# Altium PCB Battery Protector.PcbDoc (part 1 of 3) (continued)
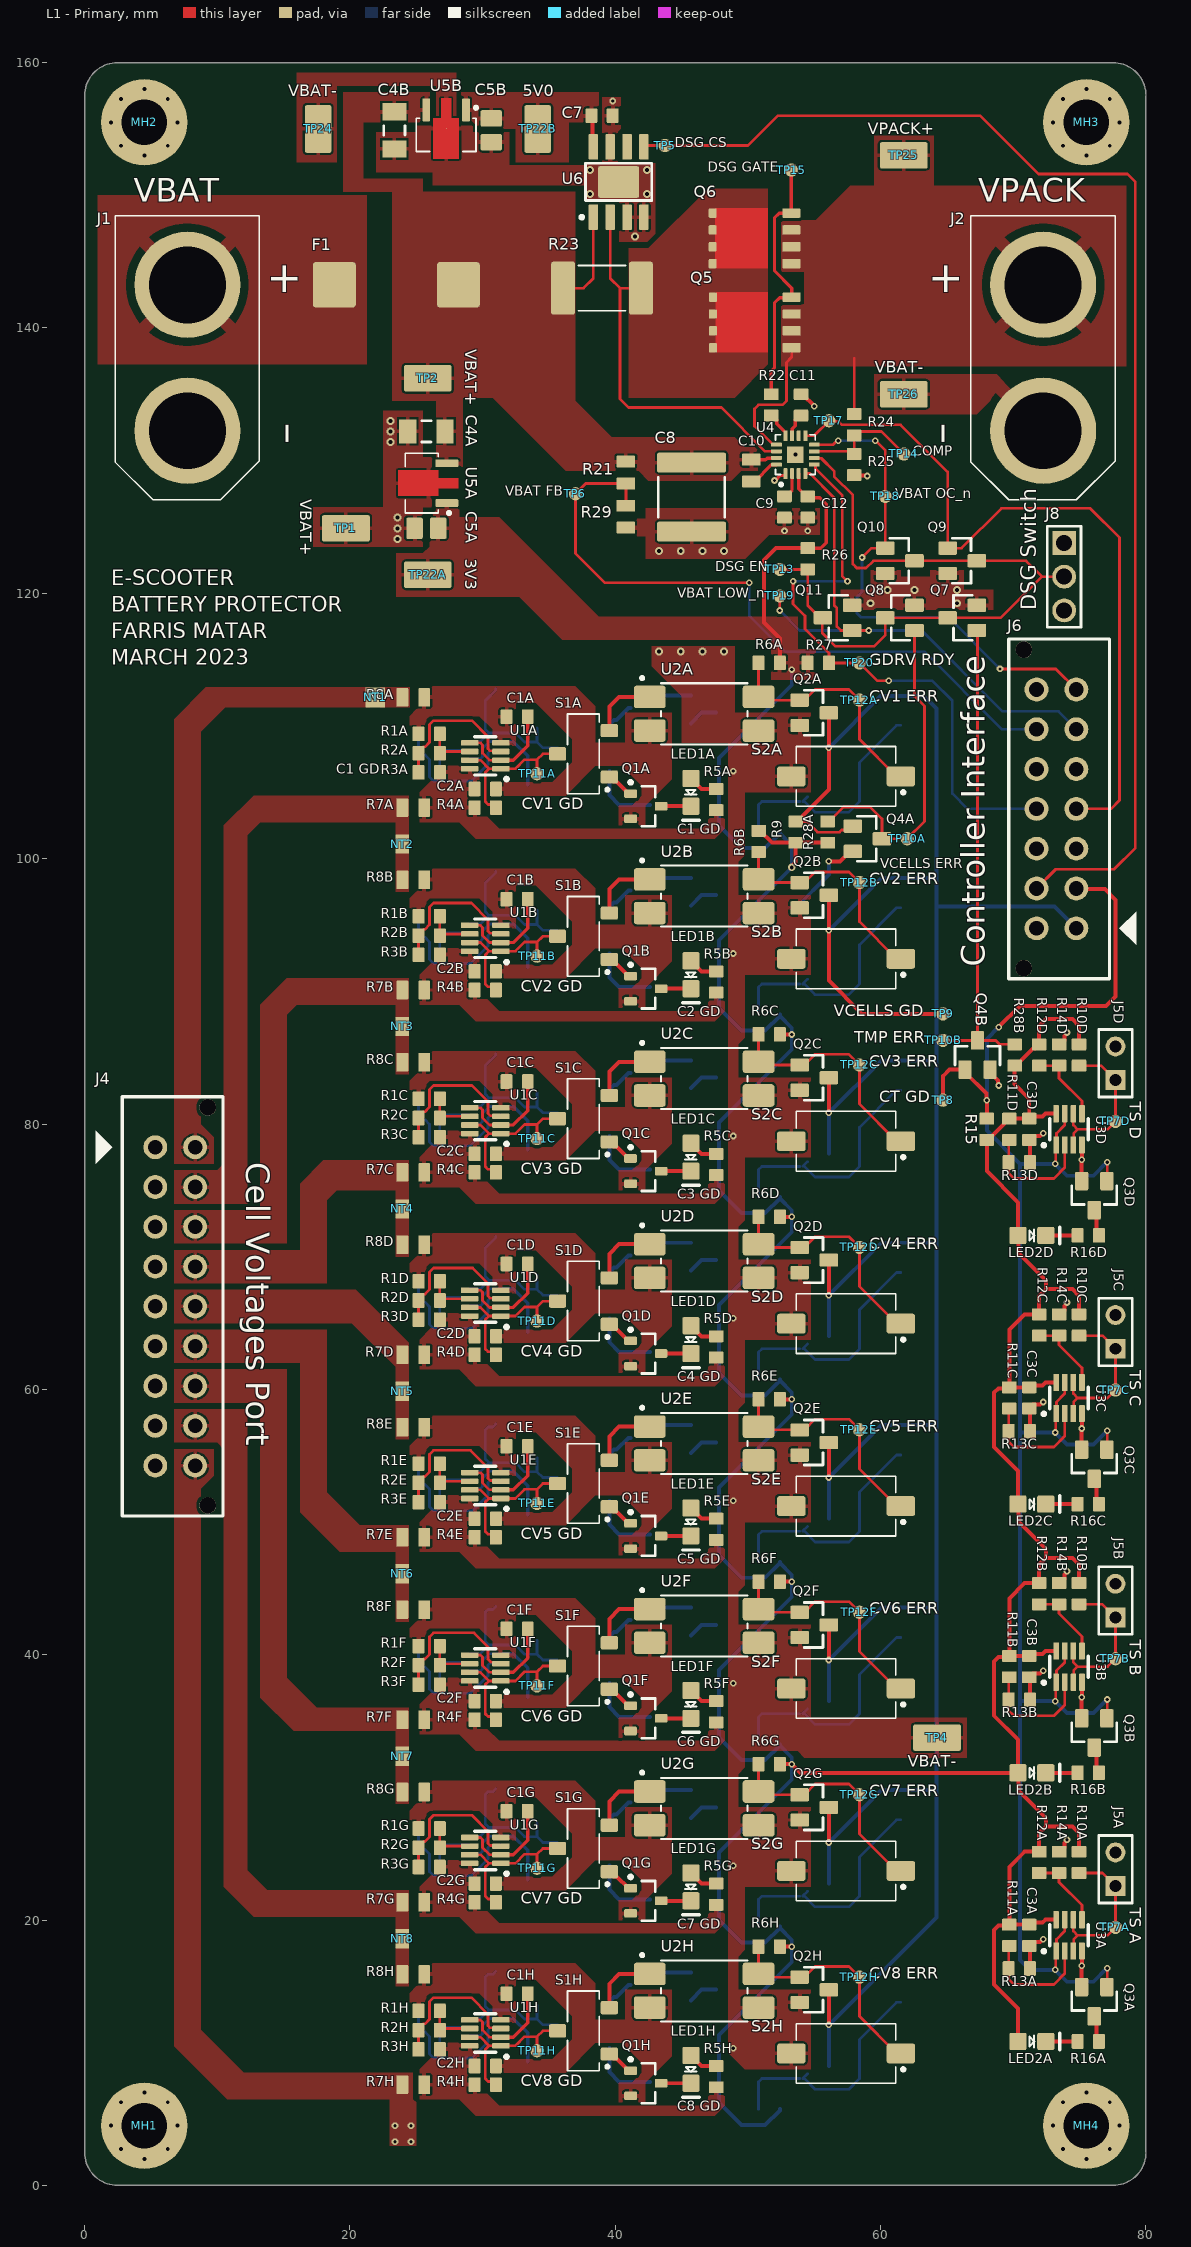
[diagram p0: L1 - Primary view]
## Components (designator, comment, footprint, x,y, rotation, side; value= is the part's Value field where it differs from the comment) (continued)
Q2I "NMOS_60V_380mA" NMOS_SSOT-3 55,9.008 r90 bottom (schematic designator Q2)
Q2J "NMOS_60V_380mA" NMOS_SSOT-3 55,22.758 r90 bottom (schematic designator Q2)
Q2K "NMOS_60V_380mA" NMOS_SSOT-3 55,36.508 r90 bottom (schematic designator Q2)
Q2L "NMOS_60V_380mA" NMOS_SSOT-3 55,50.258 r90 bottom (schematic designator Q2)
Q2M "NMOS_60V_380mA" NMOS_SSOT-3 55,64.008 r90 bottom (schematic designator Q2)
Q2N "NMOS_60V_380mA" NMOS_SSOT-3 55,77.758 r90 bottom (schematic designator Q2)
Q2O "NMOS_60V_380mA" NMOS_SSOT-3 55,91.508 r90 bottom (schematic designator Q2)
Q2P "NMOS_60V_380mA" NMOS_SSOT-3 55,105.258 r90 bottom (schematic designator Q2)
Q3A "NMOS_60V_380mA" NMOS_SSOT-3 76.1,13.85 r180 top (schematic designator Q3)
Q3B "NMOS_60V_380mA" NMOS_SSOT-3 76.1,34.1 r180 top (schematic designator Q3)
Q3C "NMOS_60V_380mA" NMOS_SSOT-3 76.1,54.35 r180 top (schematic designator Q3)
Q3D "NMOS_60V_380mA" NMOS_SSOT-3 76.1,74.6 r180 top (schematic designator Q3)
Q4A "NMOS_60V_380mA" NMOS_SSOT-3 59,101.5 r270 top (schematic designator Q4)
Q4B "NMOS_60V_380mA" NMOS_SSOT-3 67.3,85.2 r0 top (schematic designator Q4)
Q5 "CSD19502Q5B" DFN5060 50.522,140.417 r90 top
Q6 "CSD19502Q5B" DFN5060 50.5,146.75 r90 top
Q7 "NMOS_60V_380mA" NMOS_SSOT-3 66.15,118.15 r90 top
Q8 "NMOS_60V_380mA" NMOS_SSOT-3 61.45,118.15 r90 top
Q9 "NMOS_60V_380mA" NMOS_SSOT-3 66.15,122.45 r270 top
Q10 "NMOS_60V_380mA" NMOS_SSOT-3 61.45,122.45 r270 top
Q11 "NMOS_60V_380mA" NMOS_SSOT-3 56.75,118.15 r90 top
R1A "RES_1.24MΩ_0603_1%" RES0603 25.975,109.4 r0 top value=1.24MΩ (schematic designator R1)
R1B "RES_1.24MΩ_0603_1%" RES0603 25.975,95.65 r0 top value=1.24MΩ (schematic designator R1)
R1C "RES_1.24MΩ_0603_1%" RES0603 25.975,81.9 r0 top value=1.24MΩ (schematic designator R1)
R1D "RES_1.24MΩ_0603_1%" RES0603 25.975,68.15 r0 top value=1.24MΩ (schematic designator R1)
R1E "RES_1.24MΩ_0603_1%" RES0603 25.975,54.4 r0 top value=1.24MΩ (schematic designator R1)
R1F "RES_1.24MΩ_0603_1%" RES0603 25.975,40.65 r0 top value=1.24MΩ (schematic designator R1)
R1G "RES_1.24MΩ_0603_1%" RES0603 25.975,26.9 r0 top value=1.24MΩ (schematic designator R1)
R1H "RES_1.24MΩ_0603_1%" RES0603 25.975,13.15 r0 top value=1.24MΩ (schematic designator R1)
R1I "RES_1.24MΩ_0603_1%" RES0603 25.975,10.6 r0 bottom value=1.24MΩ (schematic designator R1)
R1J "RES_1.24MΩ_0603_1%" RES0603 25.975,24.35 r0 bottom value=1.24MΩ (schematic designator R1)
R1K "RES_1.24MΩ_0603_1%" RES0603 25.975,38.1 r0 bottom value=1.24MΩ (schematic designator R1)
R1L "RES_1.24MΩ_0603_1%" RES0603 25.975,51.85 r0 bottom value=1.24MΩ (schematic designator R1)
R1M "RES_1.24MΩ_0603_1%" RES0603 25.975,65.6 r0 bottom value=1.24MΩ (schematic designator R1)
R1N "RES_1.24MΩ_0603_1%" RES0603 25.975,79.35 r0 bottom value=1.24MΩ (schematic designator R1)
R1O "RES_1.24MΩ_0603_1%" RES0603 25.975,93.1 r0 bottom value=1.24MΩ (schematic designator R1)
R1P "RES_1.24MΩ_0603_1%" RES0603 25.975,106.85 r0 bottom value=1.24MΩ (schematic designator R1)
R2A "RES_604kΩ_0603_1%" RES0603 25.975,107.95 r180 top value=604kΩ (schematic designator R2)
R2B "RES_604kΩ_0603_1%" RES0603 25.975,94.2 r180 top value=604kΩ (schematic designator R2)
R2C "RES_604kΩ_0603_1%" RES0603 25.975,80.45 r180 top value=604kΩ (schematic designator R2)
R2D "RES_604kΩ_0603_1%" RES0603 25.975,66.7 r180 top value=604kΩ (schematic designator R2)
R2E "RES_604kΩ_0603_1%" RES0603 25.975,52.95 r180 top value=604kΩ (schematic designator R2)
R2F "RES_604kΩ_0603_1%" RES0603 25.975,39.2 r180 top value=604kΩ (schematic designator R2)
R2G "RES_604kΩ_0603_1%" RES0603 25.975,25.45 r180 top value=604kΩ (schematic designator R2)
R2H "RES_604kΩ_0603_1%" RES0603 25.975,11.7 r180 top value=604kΩ (schematic designator R2)
R2I "RES_604kΩ_0603_1%" RES0603 25.975,12.05 r180 bottom value=604kΩ (schematic designator R2)
R2J "RES_604kΩ_0603_1%" RES0603 25.975,25.8 r180 bottom value=604kΩ (schematic designator R2)
R2K "RES_604kΩ_0603_1%" RES0603 25.975,39.55 r180 bottom value=604kΩ (schematic designator R2)
R2L "RES_604kΩ_0603_1%" RES0603 25.975,53.3 r180 bottom value=604kΩ (schematic designator R2)
R2M "RES_604kΩ_0603_1%" RES0603 25.975,67.05 r180 bottom value=604kΩ (schematic designator R2)
R2N "RES_604kΩ_0603_1%" RES0603 25.975,80.8 r180 bottom value=604kΩ (schematic designator R2)
R2O "RES_604kΩ_0603_1%" RES0603 25.975,94.55 r180 bottom value=604kΩ (schematic designator R2)
R2P "RES_604kΩ_0603_1%" RES0603 25.975,108.3 r180 bottom value=604kΩ (schematic designator R2)
R3A "RES_845kΩ_0603_1%" RES0603 25.975,106.5 r0 top value=845kΩ (schematic designator R3)
R3B "RES_845kΩ_0603_1%" RES0603 25.975,92.75 r0 top value=845kΩ (schematic designator R3)
R3C "RES_845kΩ_0603_1%" RES0603 25.975,79 r0 top value=845kΩ (schematic designator R3)
R3D "RES_845kΩ_0603_1%" RES0603 25.975,65.25 r0 top value=845kΩ (schematic designator R3)
R3E "RES_845kΩ_0603_1%" RES0603 25.975,51.5 r0 top value=845kΩ (schematic designator R3)
R3F "RES_845kΩ_0603_1%" RES0603 25.975,37.75 r0 top value=845kΩ (schematic designator R3)
R3G "RES_845kΩ_0603_1%" RES0603 25.975,24 r0 top value=845kΩ (schematic designator R3)
R3H "RES_845kΩ_0603_1%" RES0603 25.975,10.25 r0 top value=845kΩ (schematic designator R3)
R3I "RES_845kΩ_0603_1%" RES0603 25.975,13.5 r0 bottom value=845kΩ (schematic designator R3)
R3J "RES_845kΩ_0603_1%" RES0603 25.975,27.25 r0 bottom value=845kΩ (schematic designator R3)
R3K "RES_845kΩ_0603_1%" RES0603 25.975,41 r0 bottom value=845kΩ (schematic designator R3)
R3L "RES_845kΩ_0603_1%" RES0603 25.975,54.75 r0 bottom value=845kΩ (schematic designator R3)
R3M "RES_845kΩ_0603_1%" RES0603 25.975,68.5 r0 bottom value=845kΩ (schematic designator R3)
R3N "RES_845kΩ_0603_1%" RES0603 25.975,82.25 r0 bottom value=845kΩ (schematic designator R3)
R3O "RES_845kΩ_0603_1%" RES0603 25.975,96 r0 bottom value=845kΩ (schematic designator R3)
R3P "RES_845kΩ_0603_1%" RES0603 25.975,109.75 r0 bottom value=845kΩ (schematic designator R3)
R4A "RES_5.1kΩ_0603_1%" RES0603 30.2,103.85 r180 top value=5.1kΩ (schematic designator R4)
R4B "RES_5.1kΩ_0603_1%" RES0603 30.2,90.1 r180 top value=5.1kΩ (schematic designator R4)
R4C "RES_5.1kΩ_0603_1%" RES0603 30.2,76.35 r180 top value=5.1kΩ (schematic designator R4)
R4D "RES_5.1kΩ_0603_1%" RES0603 30.2,62.6 r180 top value=5.1kΩ (schematic designator R4)
R4E "RES_5.1kΩ_0603_1%" RES0603 30.2,48.85 r180 top value=5.1kΩ (schematic designator R4)
R4F "RES_5.1kΩ_0603_1%" RES0603 30.2,35.1 r180 top value=5.1kΩ (schematic designator R4)
R4G "RES_5.1kΩ_0603_1%" RES0603 30.2,21.35 r180 top value=5.1kΩ (schematic designator R4)
R4H "RES_5.1kΩ_0603_1%" RES0603 30.2,7.6 r180 top value=5.1kΩ (schematic designator R4)
R4I "RES_5.1kΩ_0603_1%" RES0603 30.2,16.15 r180 bottom value=5.1kΩ (schematic designator R4)
R4J "RES_5.1kΩ_0603_1%" RES0603 30.2,29.9 r180 bottom value=5.1kΩ (schematic designator R4)
R4K "RES_5.1kΩ_0603_1%" RES0603 30.2,43.65 r180 bottom value=5.1kΩ (schematic designator R4)
R4L "RES_5.1kΩ_0603_1%" RES0603 30.2,57.4 r180 bottom value=5.1kΩ (schematic designator R4)
R4M "RES_5.1kΩ_0603_1%" RES0603 30.2,71.55 r180 bottom value=5.1kΩ (schematic designator R4)
R4N "RES_5.1kΩ_0603_1%" RES0603 30.2,85.3 r180 bottom value=5.1kΩ (schematic designator R4)
R4O "RES_5.1kΩ_0603_1%" RES0603 30.2,99.05 r180 bottom value=5.1kΩ (schematic designator R4)
R4P "RES_5.1kΩ_0603_1%" RES0603 30.2,112.8 r180 bottom value=5.1kΩ (schematic designator R4)
R5A "RES_180Ω_0603_1%" RES0603 47.6,104.45 r270 top value=180Ω (schematic designator R5)
R5B "RES_180Ω_0603_1%" RES0603 47.6,90.7 r270 top value=180Ω (schematic designator R5)
R5C "RES_180Ω_0603_1%" RES0603 47.6,76.95 r270 top value=180Ω (schematic designator R5)
R5D "RES_180Ω_0603_1%" RES0603 47.6,63.2 r270 top value=180Ω (schematic designator R5)
R5E "RES_180Ω_0603_1%" RES0603 47.6,49.45 r270 top value=180Ω (schematic designator R5)
R5F "RES_180Ω_0603_1%" RES0603 47.6,35.7 r270 top value=180Ω (schematic designator R5)
R5G "RES_180Ω_0603_1%" RES0603 47.6,21.95 r270 top value=180Ω (schematic designator R5)
R5H "RES_180Ω_0603_1%" RES0603 47.6,8.2 r270 top value=180Ω (schematic designator R5)
R5I "RES_180Ω_0603_1%" RES0603 47.6,15.55 r90 bottom value=180Ω (schematic designator R5)
R5J "RES_180Ω_0603_1%" RES0603 47.6,29.3 r90 bottom value=180Ω (schematic designator R5)
R5K "RES_180Ω_0603_1%" RES0603 47.6,43.05 r90 bottom value=180Ω (schematic designator R5)
R5L "RES_180Ω_0603_1%" RES0603 47.6,56.8 r90 bottom value=180Ω (schematic designator R5)
R5M "RES_180Ω_0603_1%" RES0603 47.6,70.55 r90 bottom value=180Ω (schematic designator R5)
R5N "RES_180Ω_0603_1%" RES0603 47.6,84.3 r90 bottom value=180Ω (schematic designator R5)
R5O "RES_180Ω_0603_1%" RES0603 47.6,98.05 r90 bottom value=180Ω (schematic designator R5)
R5P "RES_180Ω_0603_1%" RES0603 47.6,111.8 r90 bottom value=180Ω (schematic designator R5)
R6A "RES_100kΩ_0603_1%" RES0603 51.6,114.75 r0 top value=100kΩ (schematic designator R6)
R6B "RES_100kΩ_0603_1%" RES0603 50.8,101.3 r90 top value=100kΩ (schematic designator R6)
R6C "RES_100kΩ_0603_1%" RES0603 51.6,86.75 r0 top value=100kΩ (schematic designator R6)
R6D "RES_100kΩ_0603_1%" RES0603 51.6,73 r0 top value=100kΩ (schematic designator R6)
R6E "RES_100kΩ_0603_1%" RES0603 51.6,59.25 r0 top value=100kΩ (schematic designator R6)
R6F "RES_100kΩ_0603_1%" RES0603 51.6,45.5 r0 top value=100kΩ (schematic designator R6)
R6G "RES_100kΩ_0603_1%" RES0603 51.6,31.75 r0 top value=100kΩ (schematic designator R6)
R6H "RES_100kΩ_0603_1%" RES0603 51.6,18 r0 top value=100kΩ (schematic designator R6)
R6I "RES_100kΩ_0603_1%" RES0603 51.6,5.75 r0 bottom value=100kΩ (schematic designator R6)
R6J "RES_100kΩ_0603_1%" RES0603 51.6,19.5 r0 bottom value=100kΩ (schematic designator R6)
R6K "RES_100kΩ_0603_1%" RES0603 51.6,33.25 r0 bottom value=100kΩ (schematic designator R6)
R6L "RES_100kΩ_0603_1%" RES0603 51.6,47 r0 bottom value=100kΩ (schematic designator R6)
R6M "RES_100kΩ_0603_1%" RES0603 51.6,60.75 r0 bottom value=100kΩ (schematic designator R6)
R6N "RES_100kΩ_0603_1%" RES0603 51.6,74.5 r0 bottom value=100kΩ (schematic designator R6)
R6O "RES_100kΩ_0603_1%" RES0603 51.6,88.25 r0 bottom value=100kΩ (schematic designator R6)
R6P "RES_100kΩ_0603_1%" RES0603 51.6,102 r0 bottom value=100kΩ (schematic designator R6)
R7A "RES_0Ω_0805" RES0805 24.775,103.85 r0 top value=0Ω (schematic designator R7)
R7B "RES_0Ω_0805" RES0805 24.775,90.1 r0 top value=0Ω (schematic designator R7)
R7C "RES_0Ω_0805" RES0805 24.775,76.35 r0 top value=0Ω (schematic designator R7)
R7D "RES_0Ω_0805" RES0805 24.775,62.6 r0 top value=0Ω (schematic designator R7)
R7E "RES_0Ω_0805" RES0805 24.775,48.85 r0 top value=0Ω (schematic designator R7)
R7F "RES_0Ω_0805" RES0805 24.775,35.1 r0 top value=0Ω (schematic designator R7)
R7G "RES_0Ω_0805" RES0805 24.775,21.35 r0 top value=0Ω (schematic designator R7)
R7H "RES_0Ω_0805" RES0805 24.775,7.6 r0 top value=0Ω (schematic designator R7)
R7I "RES_0Ω_0805" RES0805 24.775,16.15 r0 bottom value=0Ω (schematic designator R7)
R7J "RES_0Ω_0805" RES0805 24.775,29.9 r0 bottom value=0Ω (schematic designator R7)
R7K "RES_0Ω_0805" RES0805 24.775,43.65 r0 bottom value=0Ω (schematic designator R7)
R7L "RES_0Ω_0805" RES0805 24.775,57.4 r0 bottom value=0Ω (schematic designator R7)
R7M "RES_0Ω_0805" RES0805 24.775,71.15 r0 bottom value=0Ω (schematic designator R7)
R7N "RES_0Ω_0805" RES0805 24.775,84.9 r0 bottom value=0Ω (schematic designator R7)
R7O "RES_0Ω_0805" RES0805 24.775,98.65 r0 bottom value=0Ω (schematic designator R7)
R7P "RES_0Ω_0805" RES0805 24.775,112.4 r0 bottom value=0Ω (schematic designator R7)
R8A "RES_0Ω_0805" RES0805 24.775,112.15 r0 top value=0Ω (schematic designator R8)
R8B "RES_0Ω_0805" RES0805 24.775,98.4 r0 top value=0Ω (schematic designator R8)
R8C "RES_0Ω_0805" RES0805 24.775,84.65 r0 top value=0Ω (schematic designator R8)
R8D "RES_0Ω_0805" RES0805 24.775,70.9 r0 top value=0Ω (schematic designator R8)
R8E "RES_0Ω_0805" RES0805 24.775,57.15 r0 top value=0Ω (schematic designator R8)
R8F "RES_0Ω_0805" RES0805 24.775,43.4 r0 top value=0Ω (schematic designator R8)
R8G "RES_0Ω_0805" RES0805 24.775,29.65 r0 top value=0Ω (schematic designator R8)
R8H "RES_0Ω_0805" RES0805 24.775,15.9 r0 top value=0Ω (schematic designator R8)
R8I "RES_0Ω_0805" RES0805 24.775,7.85 r0 bottom value=0Ω (schematic designator R8)
R8J "RES_0Ω_0805" RES0805 24.775,21.6 r0 bottom value=0Ω (schematic designator R8)
R8K "RES_0Ω_0805" RES0805 24.775,35.35 r0 bottom value=0Ω (schematic designator R8)
R8L "RES_0Ω_0805" RES0805 24.775,49.1 r0 bottom value=0Ω (schematic designator R8)
R8M "RES_0Ω_0805" RES0805 24.775,62.85 r0 bottom value=0Ω (schematic designator R8)
R8N "RES_0Ω_0805" RES0805 24.775,76.6 r0 bottom value=0Ω (schematic designator R8)
R8O "RES_0Ω_0805" RES0805 24.775,90.35 r0 bottom value=0Ω (schematic designator R8)
R8P "RES_0Ω_0805" RES0805 24.775,104.1 r0 bottom value=0Ω (schematic designator R8)
R9 "RES_100kΩ_0603_1%" RES0603 53.6,102 r270 top value=100kΩ
R10A "RES_200kΩ_0603_1%" RES0603 74.95,24.35 r90 top value=200kΩ (schematic designator R10)
R10B "RES_200kΩ_0603_1%" RES0603 74.95,44.6 r90 top value=200kΩ (schematic designator R10)
R10C "RES_200kΩ_0603_1%" RES0603 74.95,64.85 r90 top value=200kΩ (schematic designator R10)
R10D "RES_200kΩ_0603_1%" RES0603 74.95,85.2 r90 top value=200kΩ (schematic designator R10)
R11A "RES_100kΩ_0603_1%" RES0603 69.7,18.85 r90 top value=100kΩ (schematic designator R11)
R11B "RES_100kΩ_0603_1%" RES0603 69.7,39.1 r90 top value=100kΩ (schematic designator R11)
R11C "RES_100kΩ_0603_1%" RES0603 69.7,59.35 r90 top value=100kΩ (schematic designator R11)
R11D "RES_100kΩ_0603_1%" RES0603 69.7,79.6 r90 top value=100kΩ (schematic designator R11)
R12A "RES_100kΩ_0603_1%" RES0603 71.95,24.35 r90 top value=100kΩ (schematic designator R12)
R12B "RES_100kΩ_0603_1%" RES0603 71.95,44.6 r90 top value=100kΩ (schematic designator R12)
R12C "RES_100kΩ_0603_1%" RES0603 71.95,64.85 r90 top value=100kΩ (schematic designator R12)
R12D "RES_100kΩ_0603_1%" RES0603 71.95,85.2 r90 top value=100kΩ (schematic designator R12)
R13A "RES_16.5kΩ_0603_1%" RES0603 70.45,16.35 r180 top value=16.5kΩ (schematic designator R13)
R13B "RES_16.5kΩ_0603_1%" RES0603 70.45,36.6 r180 top value=16.5kΩ (schematic designator R13)
R13C "RES_16.5kΩ_0603_1%" RES0603 70.45,56.85 r180 top value=16.5kΩ (schematic designator R13)
R13D "RES_16.5kΩ_0603_1%" RES0603 70.45,77.1 r180 top value=16.5kΩ (schematic designator R13)
R14A "RES_453kΩ_0603_1%" RES0603 73.45,24.35 r270 top value=453kΩ (schematic designator R14)
R14B "RES_453kΩ_0603_1%" RES0603 73.45,44.6 r270 top value=453kΩ (schematic designator R14)
R14C "RES_453kΩ_0603_1%" RES0603 73.45,64.85 r270 top value=453kΩ (schematic designator R14)
R14D "RES_453kΩ_0603_1%" RES0603 73.45,85.2 r270 top value=453kΩ (schematic designator R14)
R15 "RES_100kΩ_0603_1%" RES0603 68,79.6 r270 top value=100kΩ
R16A "RES_1kΩ_0603_1%" RES0603 75.65,10.85 r180 top value=1kΩ (schematic designator R16)
R16B "RES_1kΩ_0603_1%" RES0603 75.65,31.1 r180 top value=1kΩ (schematic designator R16)
R16C "RES_1kΩ_0603_1%" RES0603 75.65,51.35 r180 top value=1kΩ (schematic designator R16)
R16D "RES_1kΩ_0603_1%" RES0603 75.65,71.6 r180 top value=1kΩ (schematic designator R16)
R21 "RES_249kΩ_0805_1%" RES0805 40.8,129.1 r90 top value=249kΩ
R22 "RES_0Ω_0603" RES0603 51.75,134.2 r90 top value=0Ω
R23 "RES_1mΩ_2512_1%" RESC6532X75N 39,143 r0 top value=1mΩ
R24 "RES_100kΩ_0603_1%" RES0603 58,132.7 r90 top value=100kΩ
R25 "RES_3.6kΩ_0603_1%" RES0603 58,129.7 r90 top value=3.6kΩ
R26 "RES_10kΩ_0603_1%" RES0603 54.5,122.6 r270 top value=10kΩ
R27 "RES_100kΩ_0603_1%" RES0603 55.3,114.75 r180 top value=100kΩ
R28A "RES_100kΩ_0603_1%" RES0603 56,102 r270 top value=100kΩ (schematic designator R28)
R28B "RES_100kΩ_0603_1%" RES0603 70.1,85.2 r270 top value=100kΩ (schematic designator R28)
R29 "RES_10kΩ_0805_5%" RES0805 40.8,125.775 r90 top value=10kΩ
S1A "SW_SLIDE_SPDT_SMD" TDD01_SPDT 37.6,107.9 r180 top (schematic designator S1)
S1B "SW_SLIDE_SPDT_SMD" TDD01_SPDT 37.6,94.15 r180 top (schematic designator S1)
S1C "SW_SLIDE_SPDT_SMD" TDD01_SPDT 37.6,80.4 r180 top (schematic designator S1)
S1D "SW_SLIDE_SPDT_SMD" TDD01_SPDT 37.6,66.65 r180 top (schematic designator S1)
S1E "SW_SLIDE_SPDT_SMD" TDD01_SPDT 37.6,52.9 r180 top (schematic designator S1)
S1F "SW_SLIDE_SPDT_SMD" TDD01_SPDT 37.6,39.15 r180 top (schematic designator S1)
S1G "SW_SLIDE_SPDT_SMD" TDD01_SPDT 37.6,25.4 r180 top (schematic designator S1)
S1H "SW_SLIDE_SPDT_SMD" TDD01_SPDT 37.6,11.65 r180 top (schematic designator S1)
S1I "SW_SLIDE_SPDT_SMD" TDD01_SPDT 37.6,12.1 r180 bottom (schematic designator S1)
S1J "SW_SLIDE_SPDT_SMD" TDD01_SPDT 37.6,25.85 r180 bottom (schematic designator S1)
S1K "SW_SLIDE_SPDT_SMD" TDD01_SPDT 37.6,39.6 r180 bottom (schematic designator S1)
S1L "SW_SLIDE_SPDT_SMD" TDD01_SPDT 37.6,53.35 r180 bottom (schematic designator S1)
S1M "SW_SLIDE_SPDT_SMD" TDD01_SPDT 37.6,67.1 r180 bottom (schematic designator S1)
S1N "SW_SLIDE_SPDT_SMD" TDD01_SPDT 37.6,80.85 r180 bottom (schematic designator S1)
S1O "SW_SLIDE_SPDT_SMD" TDD01_SPDT 37.6,94.6 r180 bottom (schematic designator S1)
S1P "SW_SLIDE_SPDT_SMD" TDD01_SPDT 37.6,108.35 r180 bottom (schematic designator S1)
S2A "SW_SLIDE_SPST_SMD" SDA01_SPST 57.4,106.2 r180 top (schematic designator S2)
S2B "SW_SLIDE_SPST_SMD" SDA01_SPST 57.4,92.45 r180 top (schematic designator S2)
S2C "SW_SLIDE_SPST_SMD" SDA01_SPST 57.4,78.7 r180 top (schematic designator S2)
S2D "SW_SLIDE_SPST_SMD" SDA01_SPST 57.4,64.95 r180 top (schematic designator S2)
S2E "SW_SLIDE_SPST_SMD" SDA01_SPST 57.4,51.2 r180 top (schematic designator S2)
S2F "SW_SLIDE_SPST_SMD" SDA01_SPST 57.4,37.45 r180 top (schematic designator S2)
S2G "SW_SLIDE_SPST_SMD" SDA01_SPST 57.4,23.7 r180 top (schematic designator S2)
S2H "SW_SLIDE_SPST_SMD" SDA01_SPST 57.4,9.95 r180 top (schematic designator S2)
S2I "SW_SLIDE_SPST_SMD" SDA01_SPST 57.4,13.8 r180 bottom (schematic designator S2)
S2J "SW_SLIDE_SPST_SMD" SDA01_SPST 57.4,27.55 r180 bottom (schematic designator S2)
S2K "SW_SLIDE_SPST_SMD" SDA01_SPST 57.4,41.3 r180 bottom (schematic designator S2)
S2L "SW_SLIDE_SPST_SMD" SDA01_SPST 57.4,55.05 r180 bottom (schematic designator S2)
S2M "SW_SLIDE_SPST_SMD" SDA01_SPST 57.4,68.8 r180 bottom (schematic designator S2)
S2N "SW_SLIDE_SPST_SMD" SDA01_SPST 57.4,82.55 r180 bottom (schematic designator S2)
S2O "SW_SLIDE_SPST_SMD" SDA01_SPST 57.4,96.3 r180 bottom (schematic designator S2)
S2P "SW_SLIDE_SPST_SMD" SDA01_SPST 57.4,110.05 r180 bottom (schematic designator S2)
TP1 "TESTPOINT_SMD_LOOP" S1751-46R 19.7,124.9 r180 top
TP2 "TESTPOINT_SMD_LOOP" S1751-46R 25.865,136.2 r0 top
TP4 "TESTPOINT_SMD_LOOP" S1751-46R 64.25,33.75 r0 top
TP5 "TESTPOINT_1MM_CIRCLE" TESTPOINT_CIRCLE_1MM 43.75,153.75 r180 top
TP6 "TESTPOINT_1MM_CIRCLE" TESTPOINT_CIRCLE_1MM 37,127.5 r90 top
TP7A "TESTPOINT_1MM_CIRCLE" TESTPOINT_CIRCLE_1MM 77.7,19.45 r0 top (schematic designator TP7)
TP7B "TESTPOINT_1MM_CIRCLE" TESTPOINT_CIRCLE_1MM 77.7,39.7 r0 top (schematic designator TP7)
TP7C "TESTPOINT_1MM_CIRCLE" TESTPOINT_CIRCLE_1MM 77.7,59.95 r0 top (schematic designator TP7)
TP7D "TESTPOINT_1MM_CIRCLE" TESTPOINT_CIRCLE_1MM 77.7,80.2 r0 top (schematic designator TP7)
TP8 "TESTPOINT_1MM_CIRCLE" TESTPOINT_CIRCLE_1MM 64.7,81.8 r90 top
TP9 "TESTPOINT_1MM_CIRCLE" TESTPOINT_CIRCLE_1MM 64.7,88.3 r90 top
TP10A "TESTPOINT_1MM_CIRCLE" TESTPOINT_CIRCLE_1MM 62,101.5 r90 top (schematic designator TP10)
TP10B "TESTPOINT_1MM_CIRCLE" TESTPOINT_CIRCLE_1MM 64.7,86.3 r90 top (schematic designator TP10)
TP11A "TESTPOINT_1MM_CIRCLE" TESTPOINT_CIRCLE_1MM 34.1,106.4 r90 top (schematic designator TP11)
TP11B "TESTPOINT_1MM_CIRCLE" TESTPOINT_CIRCLE_1MM 34.1,92.65 r90 top (schematic designator TP11)
TP11C "TESTPOINT_1MM_CIRCLE" TESTPOINT_CIRCLE_1MM 34.1,78.9 r90 top (schematic designator TP11)
TP11D "TESTPOINT_1MM_CIRCLE" TESTPOINT_CIRCLE_1MM 34.1,65.15 r90 top (schematic designator TP11)
TP11E "TESTPOINT_1MM_CIRCLE" TESTPOINT_CIRCLE_1MM 34.1,51.4 r90 top (schematic designator TP11)
TP11F "TESTPOINT_1MM_CIRCLE" TESTPOINT_CIRCLE_1MM 34.1,37.65 r90 top (schematic designator TP11)
TP11G "TESTPOINT_1MM_CIRCLE" TESTPOINT_CIRCLE_1MM 34.1,23.9 r90 top (schematic designator TP11)
TP11H "TESTPOINT_1MM_CIRCLE" TESTPOINT_CIRCLE_1MM 34.1,10.15 r90 top (schematic designator TP11)
TP11I "TESTPOINT_1MM_CIRCLE" TESTPOINT_CIRCLE_1MM 34.1,13.6 r270 bottom (schematic designator TP11)
TP11J "TESTPOINT_1MM_CIRCLE" TESTPOINT_CIRCLE_1MM 34.1,27.35 r270 bottom (schematic designator TP11)
TP11K "TESTPOINT_1MM_CIRCLE" TESTPOINT_CIRCLE_1MM 34.1,41.1 r270 bottom (schematic designator TP11)
TP11L "TESTPOINT_1MM_CIRCLE" TESTPOINT_CIRCLE_1MM 34.1,54.85 r270 bottom (schematic designator TP11)
TP11M "TESTPOINT_1MM_CIRCLE" TESTPOINT_CIRCLE_1MM 34.1,68.6 r270 bottom (schematic designator TP11)
TP11N "TESTPOINT_1MM_CIRCLE" TESTPOINT_CIRCLE_1MM 34.1,82.35 r270 bottom (schematic designator TP11)
TP11O "TESTPOINT_1MM_CIRCLE" TESTPOINT_CIRCLE_1MM 34.1,96.1 r270 bottom (schematic designator TP11)
TP11P "TESTPOINT_1MM_CIRCLE" TESTPOINT_CIRCLE_1MM 34.1,109.85 r270 bottom (schematic designator TP11)
TP12A "TESTPOINT_1MM_CIRCLE" TESTPOINT_CIRCLE_1MM 58.4,111.95 r90 top (schematic designator TP12)
TP12B "TESTPOINT_1MM_CIRCLE" TESTPOINT_CIRCLE_1MM 58.4,98.2 r90 top (schematic designator TP12)
TP12C "TESTPOINT_1MM_CIRCLE" TESTPOINT_CIRCLE_1MM 58.4,84.45 r90 top (schematic designator TP12)
TP12D "TESTPOINT_1MM_CIRCLE" TESTPOINT_CIRCLE_1MM 58.4,70.7 r90 top (schematic designator TP12)
TP12E "TESTPOINT_1MM_CIRCLE" TESTPOINT_CIRCLE_1MM 58.4,56.95 r90 top (schematic designator TP12)
TP12F "TESTPOINT_1MM_CIRCLE" TESTPOINT_CIRCLE_1MM 58.4,43.2 r90 top (schematic designator TP12)
TP12G "TESTPOINT_1MM_CIRCLE" TESTPOINT_CIRCLE_1MM 58.4,29.45 r90 top (schematic designator TP12)
TP12H "TESTPOINT_1MM_CIRCLE" TESTPOINT_CIRCLE_1MM 58.4,15.7 r90 top (schematic designator TP12)
TP12I "TESTPOINT_1MM_CIRCLE" TESTPOINT_CIRCLE_1MM 58.4,8.05 r270 bottom (schematic designator TP12)
TP12J "TESTPOINT_1MM_CIRCLE" TESTPOINT_CIRCLE_1MM 58.4,21.8 r270 bottom (schematic designator TP12)
TP12K "TESTPOINT_1MM_CIRCLE" TESTPOINT_CIRCLE_1MM 58.4,35.55 r270 bottom (schematic designator TP12)
TP12L "TESTPOINT_1MM_CIRCLE" TESTPOINT_CIRCLE_1MM 58.4,49.3 r270 bottom (schematic designator TP12)
TP12M "TESTPOINT_1MM_CIRCLE" TESTPOINT_CIRCLE_1MM 58.4,63.05 r270 bottom (schematic designator TP12)
TP12N "TESTPOINT_1MM_CIRCLE" TESTPOINT_CIRCLE_1MM 58.4,76.8 r270 bottom (schematic designator TP12)
TP12O "TESTPOINT_1MM_CIRCLE" TESTPOINT_CIRCLE_1MM 58.4,90.55 r270 bottom (schematic designator TP12)
TP12P "TESTPOINT_1MM_CIRCLE" TESTPOINT_CIRCLE_1MM 58.4,104.3 r270 bottom (schematic designator TP12)
TP13 "TESTPOINT_1MM_CIRCLE" TESTPOINT_CIRCLE_1MM 52.4,121.8 r90 top
TP14 "TESTPOINT_1MM_CIRCLE" TESTPOINT_CIRCLE_1MM 61.75,130.5 r90 top
TP15 "TESTPOINT_1MM_CIRCLE" TESTPOINT_CIRCLE_1MM 53.27,151.9 r90 top
TP17 "TESTPOINT_1MM_CIRCLE" TESTPOINT_CIRCLE_1MM 56.1,133 r90 top
TP18 "TESTPOINT_1MM_CIRCLE" TESTPOINT_CIRCLE_1MM 60.35,127.3 r90 top
TP19 "TESTPOINT_1MM_CIRCLE" TESTPOINT_CIRCLE_1MM 52.4,119.8 r90 top
TP20 "TESTPOINT_1MM_CIRCLE" TESTPOINT_CIRCLE_1MM 58.4,114.75 r90 top
TP22A "TESTPOINT_SMD_LOOP" S1751-46R 25.865,121.4 r180 top (schematic designator TP22)
TP22B "TESTPOINT_SMD_LOOP" S1751-46R 34.15,154.995 r270 top (schematic designator TP22)
TP24 "TESTPOINT_SMD_LOOP" S1751-46R 17.6,154.995 r90 top
TP25 "TESTPOINT_SMD_LOOP" S1751-46R 61.75,153 r0 top
TP26 "TESTPOINT_SMD_LOOP" S1751-46R 61.75,135 r180 top
U1A "IC_COMPARATOR_MAX9018" "SOT23-8 MAXIM" 30.2,107.75 r180 top (schematic designator U1)
U1B "IC_COMPARATOR_MAX9018" "SOT23-8 MAXIM" 30.2,94 r180 top (schematic designator U1)
U1C "IC_COMPARATOR_MAX9018" "SOT23-8 MAXIM" 30.2,80.25 r180 top (schematic designator U1)
U1D "IC_COMPARATOR_MAX9018" "SOT23-8 MAXIM" 30.2,66.5 r180 top (schematic designator U1)
U1E "IC_COMPARATOR_MAX9018" "SOT23-8 MAXIM" 30.2,52.75 r180 top (schematic designator U1)
U1F "IC_COMPARATOR_MAX9018" "SOT23-8 MAXIM" 30.2,39 r180 top (schematic designator U1)
U1G "IC_COMPARATOR_MAX9018" "SOT23-8 MAXIM" 30.2,25.25 r180 top (schematic designator U1)
U1H "IC_COMPARATOR_MAX9018" "SOT23-8 MAXIM" 30.2,11.5 r180 top (schematic designator U1)
U1I "IC_COMPARATOR_MAX9018" "SOT23-8 MAXIM" 30.2,12.25 r180 bottom (schematic designator U1)
U1J "IC_COMPARATOR_MAX9018" "SOT23-8 MAXIM" 30.2,26 r180 bottom (schematic designator U1)
U1K "IC_COMPARATOR_MAX9018" "SOT23-8 MAXIM" 30.2,39.75 r180 bottom (schematic designator U1)
U1L "IC_COMPARATOR_MAX9018" "SOT23-8 MAXIM" 30.2,53.5 r180 bottom (schematic designator U1)
U1M "IC_COMPARATOR_MAX9018" "SOT23-8 MAXIM" 30.2,67.25 r180 bottom (schematic designator U1)
U1N "IC_COMPARATOR_MAX9018" "SOT23-8 MAXIM" 30.2,81 r180 bottom (schematic designator U1)
U1O "IC_COMPARATOR_MAX9018" "SOT23-8 MAXIM" 30.2,94.75 r180 bottom (schematic designator U1)
U1P "IC_COMPARATOR_MAX9018" "SOT23-8 MAXIM" 30.2,108.5 r180 bottom (schematic designator U1)
U2A "OPTOCOUPLER_PS2501AL-1-F3-A" DIP-4L_REN 46.7,110.92 r0 top (schematic designator U2)
U2B "OPTOCOUPLER_PS2501AL-1-F3-A" DIP-4L_REN 46.7,97.17 r0 top (schematic designator U2)
U2C "OPTOCOUPLER_PS2501AL-1-F3-A" DIP-4L_REN 46.7,83.42 r0 top (schematic designator U2)
U2D "OPTOCOUPLER_PS2501AL-1-F3-A" DIP-4L_REN 46.7,69.67 r0 top (schematic designator U2)
U2E "OPTOCOUPLER_PS2501AL-1-F3-A" DIP-4L_REN 46.7,55.92 r0 top (schematic designator U2)
U2F "OPTOCOUPLER_PS2501AL-1-F3-A" DIP-4L_REN 46.7,42.17 r0 top (schematic designator U2)
U2G "OPTOCOUPLER_PS2501AL-1-F3-A" DIP-4L_REN 46.7,28.42 r0 top (schematic designator U2)
U2H "OPTOCOUPLER_PS2501AL-1-F3-A" DIP-4L_REN 46.7,14.67 r0 top (schematic designator U2)
U2I "OPTOCOUPLER_PS2501AL-1-F3-A" DIP-4L_REN 46.7,9.08 r0 bottom (schematic designator U2)
U2J "OPTOCOUPLER_PS2501AL-1-F3-A" DIP-4L_REN 46.7,22.83 r0 bottom (schematic designator U2)
U2K "OPTOCOUPLER_PS2501AL-1-F3-A" DIP-4L_REN 46.7,36.58 r0 bottom (schematic designator U2)
U2L "OPTOCOUPLER_PS2501AL-1-F3-A" DIP-4L_REN 46.7,50.33 r0 bottom (schematic designator U2)
U2M "OPTOCOUPLER_PS2501AL-1-F3-A" DIP-4L_REN 46.7,64.08 r0 bottom (schematic designator U2)
U2N "OPTOCOUPLER_PS2501AL-1-F3-A" DIP-4L_REN 46.7,77.83 r0 bottom (schematic designator U2)
U2O "OPTOCOUPLER_PS2501AL-1-F3-A" DIP-4L_REN 46.7,91.58 r0 bottom (schematic designator U2)
U2P "OPTOCOUPLER_PS2501AL-1-F3-A" DIP-4L_REN 46.7,105.33 r0 bottom (schematic designator U2)
U3A "IC_COMPARATOR_MAX9020" "SOT23-8 MAXIM" 74.2,18.85 r90 top (schematic designator U3)
U3B "IC_COMPARATOR_MAX9020" "SOT23-8 MAXIM" 74.2,39.1 r90 top (schematic designator U3)
U3C "IC_COMPARATOR_MAX9020" "SOT23-8 MAXIM" 74.2,59.35 r90 top (schematic designator U3)
U3D "IC_COMPARATOR_MAX9020" "SOT23-8 MAXIM" 74.2,79.6 r90 top (schematic designator U3)
U4 "MAX14922ATE+" "16-WFQFN MAXIM" 53.575,130.45 r90 top
U5A "LDO_3.3V_150mA_60VIN" SOT89 25.665,128.3 r90 top (schematic designator U5)
U5B "LDO_3.3V_150mA_60VIN" SOT89 27.25,154.795 r180 top (schematic designator U5)
U6 "MAX9919FASA+" 8-SOIC_MAXIM_S8E+14 40.25,151 r90 top

## Footprints (in the part's own frame and the unit in brackets; to place one, negate y for a bottom-side part, rotate by r counter-clockwise, add the part's x,y. Pads: shape width x height; smd on the part's side, far side on the other; paste and mask are expansions set on the pad)
8-SOIC_MAXIM_S8E+14 [mm]
  rrect15% 1.9x0.72 smd: 1(-2.655,1.905) 2(-2.655,0.635) 3(-2.655,-0.635) 4(-2.655,-1.905) 5(2.655,-1.905) 6(2.655,-0.635) 7(2.655,0.635) 8(2.655,1.905)
  rrect15% 2.413x3.1 smd: 9(0,0)
  silkscreen extent -2.78,-2.5 1.4,2.9, body extent -3.1,-2.49 3.1,2.49, height 1.68
"16-WFQFN MAXIM" [mm]
  rrect25% 0.8x0.3 smd mask+0.05: 1(-1.425,0.75) 2(-1.425,0.25) 3(-1.425,-0.25) 4(-1.425,-0.75) 9(1.425,-0.75) 10(1.425,-0.25) 11(1.425,0.25) 12(1.425,0.75)
  rrect25% 0.3x0.8 smd mask+0.05: 5(-0.75,-1.425) 6(-0.25,-1.425) 7(0.25,-1.425) 8(0.75,-1.425) 13(0.75,1.425) 14(0.25,1.425) 15(-0.25,1.425) 16(-0.75,1.425)
  rect 1.23x1.23 smd mask+0.05: 17(0,0)
  silkscreen extent -2.35,-1.5 1.5,1.5, body extent -1.55,-1.55 1.55,1.55, height 0.81
CAP0603 [mm]
  rrect20% 0.9x1.1 smd: 1(-0.8,0) 2(0.8,0)
  body extent -0.88,-0.48 0.87,0.47, height 0.87
CAP0805 [mm] "Chip Capacitor, Body 2.0x1.2mm, Height 0.45mm, IPC Medium Density"
  rrect15% 0.9x1.4 smd: 1(-0.825,0) 2(0.825,0)
  body extent -1.1,-0.73 1.1,0.72, height 1.39
CAP2012 [mm]
  rrect20% 1.25x1.6 smd: 1(-0.895,0) 2(0.895,0)
  body extent -1.1,-0.7 1.1,0.75, height 1.41
CAP2220 [mm]
  rrect20% 1.5x5.2 smd: 1(-2.6,0) 2(2.6,0)
  silkscreen extent -1.5,-2.5 1.5,2.5, body extent -2.92,-2.5 2.92,2.5, height 2.4
CAPC3216X190X50NL20T25 [mm] "Chip Capacitor, 2-Leads, Body 3.20x1.60mm, IPC Medium Density"
  rect 1.3x1.8 smd: 1(-1.4,0) 2(1.4,0)
  silkscreen extent -0.35,-0.8 0.35,0.8, body extent -1.6,-0.9 1.6,0.9, height 1.59
DFN5060 [mm]
  rrect25% 0.71x1.372 smd: 1(-1.905,-2.77) 2(-0.635,-2.77) 3(0.635,-2.77) 4(1.905,-2.77)
  rrect25% 0.71x0.59 smd: 5(1.905,3.161) 6(0.635,3.161) 7(-0.635,3.161) 8(-1.905,3.161)
  L1 - Primary region: -2.26,-0.984 -2.26,2.95 2.26,2.95 2.26,-0.984
  body extent -2.5,-3.08 2.5,3.08, height 1.1
DIP-4L_REN [mm]
  rrect25% 2.4x1.7 smd: 1(-4.1,1.27) 2(-4.1,-1.27) 3(4.1,-1.27) 4(4.1,1.27)
  silkscreen extent -4.77,-2.3 3.25,2.79, body extent -4.8,-2.3 4.8,2.3, height 3.6
FUSE_3812_BOURNS [mm] "Chip Fuse, Body 10.1mm x 3.1mm x 3.3mm"
  rrect15% 3.25x3.43 smd: 1(-4.675,0) 2(4.675,0)
  body extent -5.05,-1.55 5.05,1.55, height 3.1
HDR1X2 [mm] "Connector; Header; 2 Position"
  rect 1.5x1.5 hole 0.9: 1(0,0)
  round 1.5 hole 0.9: 2(2.54,0)
  silkscreen extent -1.27,-1.27 3.81,1.27, body extent -1.27,-1.27 3.81,1.27, height 6.35
HDR1X3 [mm] "Connector; Header; 3 Position"
  rect 1.8x1.8 hole 1.2: 1(-2.54,0)
  round 1.8 hole 1.2: 2(0,0) 3(2.54,0)
  silkscreen extent -3.81,-1.27 3.81,1.27, body extent -3.81,-1.27 3.81,1.27, height 8.57
LED_0805_GREEN [mm] "SMD, 2-Leads, Body 2x1.25mm"
  rrect20% 1.3x1.3 smd: 1(-1.05,0) 2(1.05,0)
  silkscreen extent -0.18,-0.63 2.11,0.64, body extent -1,-0.62 1,0.63, height 1.12
MOLEX-0430451427 [mm]
  round 1.8 hole 1.1: 1(-9,-1.5) 2(-6,-1.5) 3(-3,-1.5) 4(0,-1.5) 5(3,-1.5) 6(6,-1.5) 7(9,-1.5) 8(-9,1.5) 9(-6,1.5) 10(-3,1.5) 11(0,1.5) 12(3,1.5) 13(6,1.5) 14(9,1.5)
  round 1.25 hole 1.25 unplated mask+0.05: MH1(-12,2.45) MH2(12,2.45)
  silkscreen extent -12.8,-6 12.8,3.6, body extent -12.57,-3.94 12.57,4.83, height 9.9
MOLEX-0430451827 [mm]
  round 1.8 hole 1.1: 1(-12,-1.5) 2(-9,-1.5) 3(-6,-1.5) 4(-3,-1.5) 5(0,-1.5) 6(3,-1.5) 7(6,-1.5) 8(9,-1.5) 9(12,-1.5) 10(-12,1.5) 11(-9,1.5) 12(-6,1.5) 13(-3,1.5) 14(0,1.5) 15(3,1.5) 16(6,1.5) 17(9,1.5) 18(12,1.5)
  round 1.25 hole 1.25 unplated mask+0.05: MH1(-15,2.45) MH2(15,2.45)
  silkscreen extent -15.8,-6 15.8,3.6, body extent -15.58,-3.94 15.58,4.83, height 9.9
MOUNTING_HOLE_3mm [mm] "3mm Hole"
  round 6.5 hole 3.4: 0(0,0)
NET_TIE#1 [mm]
  rect 0.75x1.5 smd paste-0.375 mask-2.5: 1(-0.35,0) 2(0.35,0)
NET_TIE#2 [mm]
  rect 0.75x1 smd paste-0.375 mask-2.5: 1(-0.35,0) 2(0.35,0)
NMOS_SSOT-3 [mm] "FDN337N"
  rrect20% 1x1.4 smd: 1(-0.95,-1.1) 2(0.95,-1.1) 3(0,1.1)
  silkscreen extent -1.7,-0.75 1.7,0.66, body extent -1.46,-1.41 1.46,1.1, height 1.12
RES0603 [mm] "Chip Resistor, Body 1.6x0.8mm, IPC Medium Density"
  rrect15% 0.9x1.1 smd: 1(-0.8,0) 2(0.8,0)
  body extent -0.8,-0.4 0.8,0.4, height 0.46
RES0805 [mm] "Chip Resistor, 2-Leads, Body 2.00x1.25mm, IPC High Density"
  rrect15% 0.9x1.4 smd: 1(-0.825,0) 2(0.825,0)
  body extent -1,-0.62 1,0.63, height 0.61
RESC6532X75N [mm]
  rrect20% 1.8x4 smd: 1(-2.935,0) 2(2.935,0)
  silkscreen extent -1.79,-1.7 1.79,1.7, body extent -3.17,-1.6 3.18,1.6, height 0.65
S1751-46R [mm] "SMD LOOP TESTPOINT"
  rrect15% 3.6x2 smd: 1(0,0)
  body extent -1.62,-0.85 1.63,0.8, height 2.01
SDA01_SPST [mm]
  rrect25% 2.15x1.5 smd mask+0.05: 1(-4.125,0) 2(4.125,0)
  silkscreen extent -4.41,-2.25 3.75,2.25, body extent -4.65,-2.25 4.65,2.27, height 4.5
SOT23-3 [mm] "SOT23, 3-Leads, Body 2.90x2.30mm, Pitch 0.95mm, IPC Medium Density"
  rrect25% 0.95x0.65 smd: 1(-1.15,0.95) 2(-1.15,-0.95) 3(1.15,0)
  silkscreen extent -1.27,-1.5 0.7,1.92, body extent -1.3,-1.5 1.3,1.5, height 1.1
"SOT23-8 MAXIM" [mm] "SOIC, 8-Leads, Body 5x4mm, Pitch 1.27mm, IPC Low Density"
  rrect25% 1.3x0.42 smd mask+0.05: 1(-1.175,0.975) 2(-1.175,0.325) 3(-1.175,-0.325) 4(-1.175,-0.975) 5(1.175,-0.975) 6(1.175,-0.325) 7(1.175,0.325) 8(1.175,0.975)
  silkscreen extent -1.73,-1.45 0.8,1.87, body extent -1.5,-1.5 1.5,1.5, height 1.45